# Altium PCB STM32F103_DEV.PcbDoc (continued)
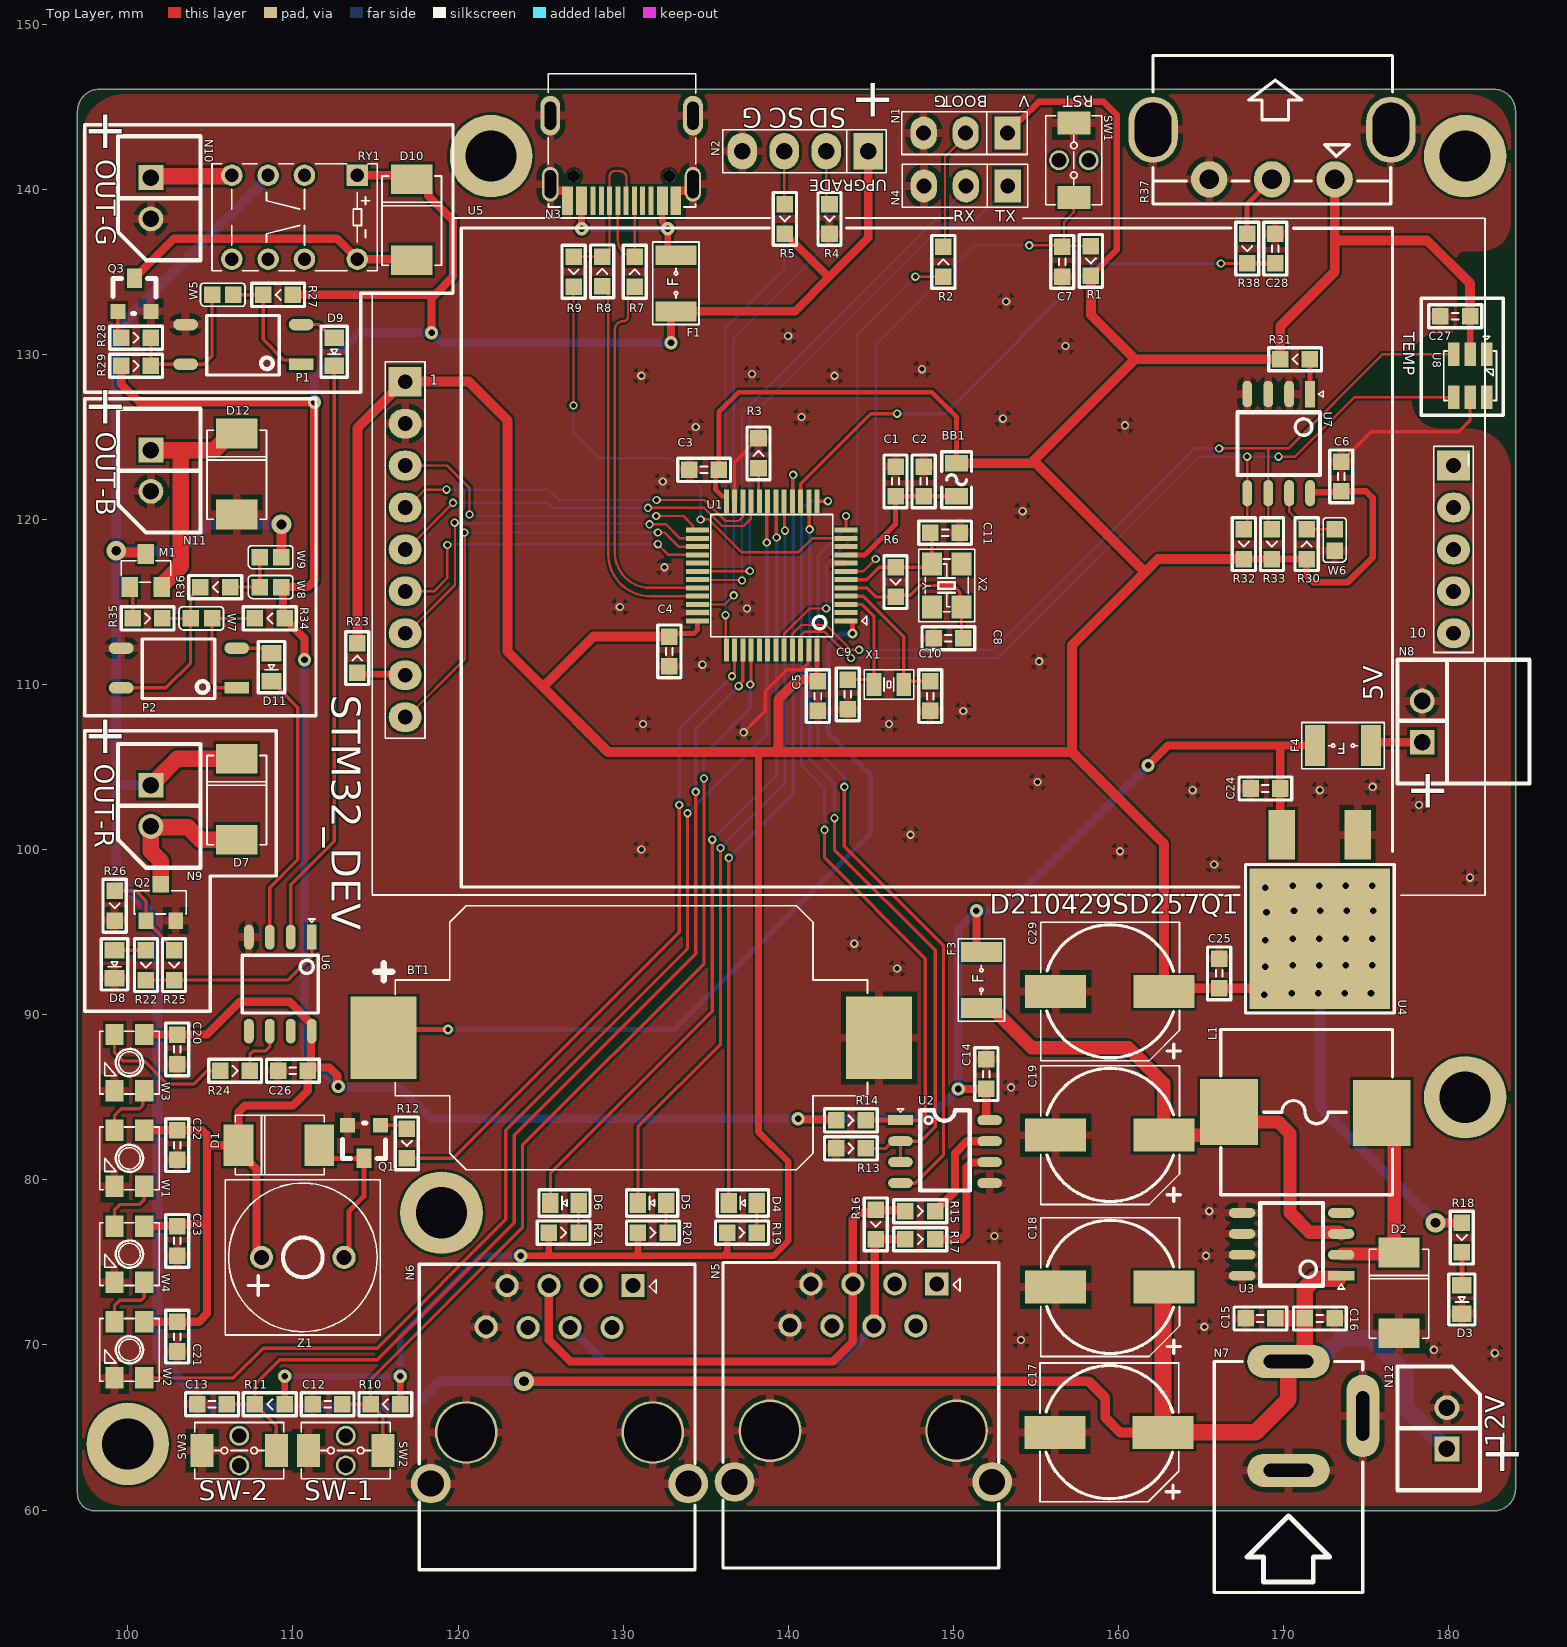
[diagram p0: Top Layer view]
## Footprints (in the part's own frame and the unit in brackets; to place one, negate y for a bottom-side part, rotate by r counter-clockwise, add the part's x,y. Pads: shape width x height; smd on the part's side, far side on the other; paste and mask are expansions set on the pad) (continued)
  rect 0.65x1.7 smd: A1(1.05,1) A4(1.85,1) A9(6.75,1) A12(7.6,1)
  rect 0.3x1.7 smd: A5(3.05,1) A6(4.05,1) A7(4.55,1) A8(5.55,1) B5(6.05,1) B6(5.05,1) B7(3.55,1) B8(2.55,1)
  round 0.75 hole 0.75: ""(1.43,-0.5) ""(7.21,-0.5)
  silkscreen extent -0.18,-6.7 8.77,1.38, body extent -0.17,-6.7 8.77,1.2, height 3.3
"WS2812B _Mini" [mm]
  rect 1.3x1.1 smd: 1(-1.7,0.9) 2(-1.7,-0.9) 3(1.7,-0.9) 4(1.7,0.9)
  silkscreen extent -1.9,-1.8 1.9,1.8, body extent -1.84,-1.74 1.84,1.74, height 2
XTAL3225 [mm]
  rect 1.4x1.2 smd: 1(-1.3,-0.9) 2(1.3,-0.9) 3(1.3,0.9) 4(-1.3,0.9)
  silkscreen extent -2.2,-1.7 2.2,1.7, body extent -1.6,-1.25 1.6,1.25, height 1.01
XTAL_2012 [mm]
  rect 0.9x1.4 smd: 1(-0.9,0) 2(0.9,0)
  silkscreen extent -1.5,-0.9 1.5,0.9, body extent -1.07,-0.64 1.08,0.66, height 0.6

## Part data
BB1: library part IND1, "2012 type Bead", Part Number=ECFB2012GB100T
BT1: "Multicell Battery", LatestRevisionDate=17-Jul-2002, LatestRevisionNote="Re-released for DXP Platform.", PackageDescription="Battery; 2 Leads", PackageReference=BAT-2, Published=24-Mar-1999, Publisher="Altium Limited"
C1 C3 C4 C5 C7 C14: library part CAP, "Capacitor, 1608 type", LCSC=C14663, Part Number=100nF
C2 C6 C12 C13 C16 C20 C21 C22 C23 C24 C25 C26 C27 C28: library part CAP, "Capacitor, 1608 type", LCSC=C15849, Part Number=1uF
C8 C11: library part CAP, "Capacitor, 1608 type", LCSC=C1648, Part Number=20pF
C9 C10: library part CAP, "Capacitor, 1608 type", LCSC=NC, Part Number=NC
C15: library part CAP, "Capacitor, 1608 type", LCSC=C1647, Part Number=18pF
C17 C18 C19 C29: library part "Cap Pol1", "TanTal Capacitor", LCSC=C311610, Part Number="220uF 25V"
D1 D2 D7 D10 D12: LCSC=C8678, Part Number=SS34
D3: library part LED, "LED 1608. SMD", LCSC=C72044, Part Number=RED
D4: "Green, 1608. SMD", LCSC=C34499, Part Number="Chip LED(WHITE)"
D5 D6: library part LED, "LED 1608. SMD", LCSC=C72043, Part Number=GREEN
D8: "Green, 1608. SMD"
D9 D11: library part LED, "1608 Chip LED", LCSC=C118339, Part Number=Blue
F1 F3 F4: library part FUSE_CHIP, "Chip Fuse 3216", LCSC=C182445, Part Number=12H1300C, URL=https://jlcpcb.com/parts/componentSearch?secondSortUuid=e97bd0f3124c47c588b72c76ed31e691&name=Surface%20Mount%20Fuses&firstSortUuid=f346e0c6c2c44c2495c3d3e7077cf5f1
L1: "Chip Inductor", LCSC=C286354, Part Number=SMMS1040-680MT
M1: "P-Channel MOSFET", LCSC=C3034, Part Number=IRLML6402TR, Temp="-55 ~ +150", URL=http://www.devicemart.co.kr/3594
N1 N4: library part CON3, "Pin Header", LCSC=C429954, Part Number="Pin Header 1x3"
N2: library part CON4, "Pin Header", LCSC=C124378, Part Number="PinHeader 1x4"
N3: library part "USB-C 2.0", "USB2.0-C type", LCSC=C165948, Part Number=U262-161N-4BVC11, URL=https://www.eleparts.co.kr/goods/view?no=8137725
N7: library part DC_JACK
N8: library part CON2, "Molex", Part Number=5268-02
N9 N10 N11 N12: library part CON2, "Molex", Part Number=5267-02
P1 P2: "1CH_small coupler", LCSC=C388374, Part Number=TLP181, Temp="-55 ~ +125", Maker=TOSHIBA
Q1 Q3: library part TR(NPN), "Transistor", LCSC=C20526, Part Number=MMBT3904
Q2: library part IRLML2502, "N Chnel FET", Part Number=IRLML2502, URL=http://www.devicemart.co.kr/goods/view?no=5829#goods_file
R1 R2 R3 R4 R5 R9 R10 R11 R12 R13 R14 R18 R19 R20 R21 R28 R29 R31 R32 R33 R35 R36: library part RES1, "Resistor, 1608 type", LCSC=C21190, Part Number=1KΩ
R6: library part RES1, "Resistor, 1608 type", LCSC=C22935, Part Number=1MΩ
R7 R8 R24 R38: library part RES1, "Resistor, 1608 type", LCSC=C1203, Part Number=22Ω
R15 R17: library part RES1, "Resistor, 1608 type", LCSC=C22859, Part Number=10Ω
R16: library part RES1, "Resistor, 1608 type", Part Number=NC120Ω
R22: library part RES1, "Resistor, 1608 type", Part Number=1KΩ
R23: library part RES1, "Resistor, 1608 type", Part Number=10KΩ
R25: library part RES1, "Resistor, 1608 type", Part Number=100Ω
R26: library part RES1, "Resistor, 1608 type", Part Number=N/C
R27 R34: library part RES1, "Resistor, 1608 type", LCSC=C22962, Part Number=220Ω
R30: library part RES1, "Resistor, 1608 type", LCSC=NC, Part Number=1KΩ
R37: library part RES-POT, "RV09H-20SQ 10KΩ"
RY1: library part RELAY, "5V, dual, DIP", Part Number=BC1-5
SW1 SW2 SW3: library part SW-SPST, "Single-Pole, Single-Throw Switch", LCSC=C720477, LatestRevisionDate=17-Jul-2002, LatestRevisionNote="Re-released for DXP Platform.", PackageDescription="Switch; 2 Leads", PackageReference=SPST-2, Published=24-Mar-1999, Publisher="Altium Limited"
U1: library part STM32F103_LQFP64, "ARM-based 32bit MCU"
U2: library part MAX485-SO8, "RS485 Driver", LCSC=C23492, Part Number=MAX485
U3: library part XL1509_FIX, "2A 150KHz 40V Buck DC to DC Converter", LCSC=C61063, Part Number=XL1509-5.0E1, ComponentLink1Description=URL, ComponentLink1URL=https://datasheet.lcsc.com/szlcsc/1809050422_XLSEMI-XL1509-5-0E1_C61063.pdf
U4: library part 7803(SOT-223), "LM1117-3.3 / 3.3V OUT / MAX 1A", LCSC=C126023, Part Number=LM1117RS-3.3
U5: library part LCD_TFT_2.2, "TFT 2.2 LCD 320 X 240", Part Number="2.2 Inch SPI TFT LCD Display Module 240 X 320"
U6: library part WS2811, "PWM Driver", LCSC=C114581, Temp=#NAME?, Part Number=WS2811, URL=https://cdn-shop.adafruit.com/datasheets/WS2811.pdf
U7: LCSC=C6487
U8: library part AHT-20, "Temperature and Humidity sensor", LCSC=NC, ComponentLink1Description=URL, ComponentLink1URL=https://files.seeedstudio.com/wiki/Grove-AHT20_I2C_Industrial_Grade_Temperature_and_Humidity_Sensor/AHT20-datasheet-2020-4-16.pdf, Part Number=AHT-20
W1 W2 W3 W4: library part WS2812B, "DC 5V / 60mA WS2812B", LCSC=C114583, ComponentLink1Description=URL, ComponentLink1URL=https://lcsc.com/product-detail/Light-Emitting-Diodes-LED_5050-RGBIntegrated-Light-4Pin_C114586.html/?href=jlc-SMT, Part Number=WS2812B
W5 W6 W7 W8 W9: "Jumper Wire", Part Number=NC, LatestRevisionDate=17-Jul-2002, LatestRevisionNote="Re-released for DXP Platform.", PackageDescription="Radial Cap, Thru-Hole; 2 Leads; 0.2 in Pin Spacing", PackageReference=RAD-0.2, Published=24-Mar-1999, Publisher="Altium Limited"
X1: library part XTAL_2, "Crystal", LCSC=C32346, Part Number=Q13FC1350000400, Temp="-40 ~ 85", ComponentLink1Description=URL, ComponentLink1URL=https://datasheet.lcsc.com/szlcsc/1811151451_Seiko-SC-20S-32-768kHz-20PPM-7pF_C97602.pdf
X2: library part XTAL_5, "8MHz  3X5 CERAMIC SMD CRYSTAL", LCSC=C157341, Part Number=8MHz
Z1: library part BUZZER, "피에조 부저", LCSC=C252932, Part Number=GMD0942YB-3V2700, URL=https://www.devicemart.co.kr/goods/view?no=1361184

## Free pads (board coordinates)
  round 5 hole 3.1: ""(100,64) ""(119,78) ""(122,142) ""(181,85) ""(181,142)

## Via types
v1: diameter 0.5, hole 0.3, Top Layer to Bottom Layer, tented both sides, 91 vias
v2: diameter 0.4, hole 0.4, Top Layer to Bottom Layer, 25 vias
v3: diameter 0.8, hole 0.4, Top Layer to Bottom Layer, tented both sides, 14 vias
v4: diameter 1.2, hole 0.6, Top Layer to Bottom Layer, tented both sides, 4 vias
v5: diameter 0.6, hole 0.3, Top Layer to Bottom Layer, tented both sides, 2 vias

## Nets (pads, with @x,y where several pads share a name; then routed paths per layer and width w, separated by ;. In a path a pad name is that pad's centre, name@x,y a point inside that pad or via, vN(x,y) a via of type N, cw(c..) or ccw(c..) an arc to the next point about the centre after c; other vN are vias at no path point)
+3V3: BB1.1 C3.1 C4.1 C5.1 C6.2 C25.2 C27.2 C29.1 N1.1 R1.1 R10.2 R11.2 R18.2 R19.2 R20.2 R21.2 R23.1 R30.2 R31.1 R32.1 R33.1 R37.1 U1.24 U1.36 U1.48 U4.2 U5.1 U7.8 U8.2 | length 359.4
  Top Layer w0.3: C4.1 133,113.1 134.3,113.1 134.5,113.3 U1.36 ; U1.24 136.25,121.4 136,121.4 135.6,121.8 135.6,122.8 C3.1 135.8,126.5 137,127.7 148.7,127.7 150.2,126.2 BB1.1 ; U1.48 141.75,110.35 C5.1@141.8,110.3
  Top Layer w0.4: R11.2 v3(109.5,68.1) ; R10.2 v3(116.5,68.1) ; v3(123.8,75.4) 125.5,75.4 ; R21.2 125.5,75.4 ; R20.2 130.9,75.4 ; R19.2 136.3,75.634 136.066,75.4 ; 138.2,105.9 138.2,82.9 140,81.1 140,76.3 139.1,75.4 136.066,75.4 ; N1.1 153.28,143.6 153.88,144.2 154.08,144.2 155.18,145.3 159.1,145.3 159.9,144.5 159.9,136.327 R1.1 ; R32.1 R33.1 R30.2 171.4,116.6 171.8,116.2 173.9,116.2 175.4,117.7 175.4,121.3 175,121.7 C6.2 173.445,121.645 171.667,121.645 U7.8 ; U8.2 C27.2 ; 125.5,75.4 130.9,75.4 ; 130.9,75.4 136.066,75.4
  Top Layer w0.6: R23.1 113.9,125.54 116.7,128.34 U5.1 120.66,128.34 123,126 123,112 125.15,109.85 ; C4.1 128.2,112.9 125.15,109.85 ; C5.1@141.8,110.3 140.6,110.3 139.4,109.1 139.4,105.9 ; BB1.1 154.7,123.4 ; R1.1 158.331,132.369 161,129.7 ; R32.1 162.4,117.6 161.6,116.8 ; U4.2@172.184,94.584 169.2,91.6 C25.2 162.95,91.6 C29.1 162.75,100.35 157.2,105.9 ; R37.1 173.1,136.9 ; v4(179.2,77.4) R18.2 ; C27.2 181.3,134.3 178.7,136.9 173.1,136.9 ; 125.15,109.85 129.1,105.9 138.2,105.9 139.4,105.9 ; 139.4,105.9 157.2,105.9 ; 154.7,123.4 155,123.4 161.6,116.8 ; 154.7,123.4 161,129.7 ; 157.2,105.9 157.2,112.4 161.6,116.8 ; 161,129.7 R31.1 169.8,131.7 173.1,135 173.1,136.9
  Bottom Layer w0.4: v3(109.5,68.1) v3(116.5,68.1) 116.5,70.5 121.4,75.4 v3(123.8,75.4)
  Bottom Layer w0.6: U4.2@172.2,94.6 172.2,84.4 v4(179.2,77.4)
  other v2: 168.833,91.198 170.5,91.3 172.1,91.3 173.7,91.3 175.3,91.3 168.9,92.9 170.567,93.002 172.167,93.002 173.767,93.002 175.367,93.002 168.9,94.5 170.567,94.602 172.167,94.602 173.767,94.602 175.367,94.602 168.967,96.202 170.634,96.304 172.234,96.304 173.834,96.304 175.434,96.304 168.9,97.7 170.567,97.802 172.167,97.802 173.767,97.802 175.367,97.802
+5V: C14.1 C20.2 C21.2 C22.2 C23.2 C24.2 C26.1 D1.2 D10.2 F1.1 F3.2 F4.2 N2.1 R5.1 R14.2 R27.2 R29.2 R34.2 RY1.1 U2.8 U4.3 U6.8 W1.1 W2.1 W3.1 W4.1 W8.1 Z1.1 | length 275.9
  Top Layer w0.5: R29.2 99.6,128.2 100.7,127.1 v3(111.3,127.1) 111.3,116.3 110.9,115.9 W8.1 109.4,115.8 109.4,114.1 R34.2 110.7,112.8 v3(110.7,111.5) ; W2.1 C21.2 104.3,71.4 104.8,71.9 104.8,77.3 ; W4.1 C23.2 103.1,77.3 104.8,77.3 ; W1.1 C22.2 104.507,83 104.8,82.707 104.8,82.1 ; W3.1 C20.2 104.8,88.8 106.79,90.79 109.8,90.79 111.14,89.45 U6.8 111.14,88.523 111.1,88.483 C26.1@111.1,86.8 ; Z1.1@107.8,75.3 107.8,80.65 106.7,81.75 D1.2 ; R27.2 118.6,133.6 ; v3(112.75,85.65) 112.693,85.707 112.693,86.315 112.207,86.8 C26.1@111.1,86.8 ; RY1.1 116.96,140.84 D10.2 117.55,140.6 118.2,139.95 118.2,139.6 119.7,138.1 119.7,134.7 118.6,133.6 ; v3(118.4,131.3) 118.4,133.4 118.6,133.6 ; v3(132.9,130.7) 132.9,132.3 F1.1 140.4,132.6 142.5,134.7 ; R5.1 142.4,134.7 142.5,134.7 ; v3(140.6,83.7) 140.65,83.65 142.85,83.65 R14.2 ; N2.1 144.84,137.04 142.5,134.7 ; v3(150.3,85.5) C14.1 152,83.656 152.046,83.61 U2.8 ; v3(151.4,96.3) 151.4,94.1 F3.2 ; v3(161.8,105.1) 163,106.3 169.6,106.3 ; U4.3 169.8,101 C24.2 169.8,106.1 169.6,106.3 ; F4.2 169.6,106.3 ; 104.8,77.3 104.8,82.1 ; 104.8,82.1 D1.2 ; D1.2 106.7,84.1 107.1,84.5 110,84.5 110.9,85.4 C26.1 C26.1@111.1,86.8
  Bottom Layer w0.5: v3(110.7,111.5) 110.7,87.7 v3(112.75,85.65) 112.8,85.6 116.5,85.6 118.4,83.7 v3(140.6,83.7) 148.5,83.7 v3(150.3,85.5) 150.3,95.2 v3(151.4,96.3) 153,96.3 v3(161.8,105.1) ; v3(111.3,127.1) 111.3,128.6 114,131.3 v3(118.4,131.3) 119,130.7 v3(132.9,130.7)
+12V: C15.2 C16.2 C17.1 C18.1 D7.2 M1.3 N7.1 N9.1 N12.1 RY1.3 U3.1 W9.1 | length 206.7
  Top Layer w0.6: v4(99.3,118.1) 99.4,118 101,118 M1.3 ; W9.1 v4(109.3,119.7) ; v4(124,67.8) 158.2,67.8 159.2,66.8 159.2,65.6 160.1,64.7 C17.1
  Top Layer w1: N9.1 103,105.5 D7.2 ; C18.1 162.7,73.45 C17.1 168.3,64.7 170.3,66.7 N7.1 170.838,69 171.3,69.462 C16.2 ; C15.2 C16.2 ; U3.1@173.303,74 171.886,74 171.3,73.414 C16.2
  Bottom Layer w0.6: N9.1 99.3,103.9 ; RY1.3 108.5,140.7 99.3,131.5 v4(99.3,118.1) ; v4(109.3,119.7) 104.8,119.7 103.2,118.1 v4(99.3,118.1) ; v4(124,67.8) 118.9,67.8 117.3,66.2 104.9,66.2 101.8,69.3 101.8,95.8 99.3,98.3 99.3,103.9 ; 99.3,103.9 v4(99.3,118.1)
  Bottom Layer w1: N7.1 172.071,69 173.471,70.4 175.3,70.4 177.4,68.3 177.4,66.2 N12.1
DN: N3.A7 N3.B7 R7.1 | length 7.4
  Top Layer w0.14: N3.A7 129.68,136.92 ccw(c130.7,136.92) R7.1 130.7,139.28 ccw(c130.68,139.28) N3.B7
DP: N3.A6 N3.B6 R8.1 R9.2 | length 9.5
  Top Layer w0.14: R9.2@127.2,135.9 127.22,135.92 128.929,135.92 129.18,136.171 N3.B6 129.18,140.78 cw(c129.5,140.78) 129.5,141.1 129.8,141.1 cw(c129.8,140.7) 130.2,140.7 130.2,139.32 cw(c130.18,139.32) N3.A6
GND: BT1.2 C1.2 C2.1 C3.2 C4.2 C5.2 C6.1 C7.2 C8.2 C9.1 C10.1 C11.2 C12.2 C13.2 C14.2 C15.1 C16.1 C17.2 C18.2 C19.2 C20.1 C21.1 C22.1 C23.1 C24.1 C25.1 C26.2 C27.1 C28.2 C29.2 D2.1 D3.2 D8.2 D12.1 N1.3 N2.4 N3.A1 N3.A12 N4.3 N5.7 N5.8 N5.9 N6.7 N6.8 N6.9 N7.2 N7.3 N8.2 N10.2 N11.2 N12.2 P1.3 P2.3 Q1.3 Q2.2 Q3.3 R3.1 R4.1 R13.2 R26.1 R37.3 SW1.1 SW2.2 SW3.2 U1.8 U1.23 U1.35 U1.47 U2.5 U3.5 U3.6 U3.7 U3.8 U4.1 U5.2 U6.4 U7.2 U7.3 U7.4 U8.5 W1.3 W2.3 W3.3 W4.3 W6.2 | length 25.5
  Top Layer w0.2: U1.23 136.75,123.45 R3.1 ; v1(137.3,107.1) 138.6,108.4 138.6,109.6 139.9,110.9 140.8,110.9 141.2,111.3 141.2,112.05 U1.47 ; C6.1 175.3,125.3 180.6,125.3 181.3,126 U8.5
  Top Layer w0.5: N3.A1@125.59,140.3 125.59,140.131 125.821,139.9 126.555,139.9 126.63,139.825 N3.A12 ; N3.A1@133.18,139.3 133.18,139.825 133.255,139.9 133.999,139.9 134.23,140.131 N3.A1@134.23,140.3
  other v1: 182.8,69.5 179.1,69.7 154.1,70.3 165.2,71.1 165.3,75.4 152.5,76.6 165.5,78.1 153.5,85.6 146.6,92.8 144,94.3 181.3,98.3 165.8,99.1 160.1,99.9 131.1,100 147.4,100.9 178.2,102.7 164.5,103.6 172.2,103.6 175.4,103.8 155.1,104.1 131.2,107.6 146.1,107.6 150.6,108.4 134.8,111.2 155.2,111.4 137.5,114.6 129.8,114.7 132.5,117.1 154.2,120.5 132.4,122.3 134.4,125.6 160.4,125.7 153,126.1 140.8,126.2 131.1,128.7 142.8,128.7 137.8,128.8 148.1,129.1 156.8,130.5 140,131.1 153.2,133.2
IO18_VCLK: U5.11
IO19_VMISO: U5.12
IO23_SVMO: U5.13
IO25_A28_DAC1: U5.10
IO27_A27_T7: U5.14
NetBB1_2: BB1.2 C1.1 C2.2 U1.9 | length 9.2
  Top Layer w0.3: U1.9 144.65,117.85 146.5,119.7 C1.1 C2.2 BB1.2
NetBT1_1: BT1.1 U1.1 | length 50
  Top Layer w0.3: BT1.1 116,89.1 v5(119.4,89.1) ; U1.1 143.9,113.85 v5(143.9,113.1)
  Bottom Layer w0.3: v5(119.4,89.1) 133.1,89.1 143.1,99.1 145,101 145,104.5 142.4,107.1 142.4,112.3 143.15,113.05 143.85,113.05 v5(143.9,113.1)
NetC7_1: C7.1 R1.2 SW1.2 U1.7 | length 33.9
  Top Layer w0.14: U1.7 144.55,116.85 v1(145.3,117.6) ; v1(154.6,136.6) 156.5,136.6 C7.1 C7.1@156.658,136.558 ; SW1.2 157.3,138.6 156.7,138 156.7,136.6 C7.1@156.658,136.558 ; R1.2 C7.1@156.658,136.558
  Bottom Layer w0.14: v1(145.3,117.6) 145.3,130.6 151.3,136.6 v1(154.6,136.6)
NetC8_1: C8.1 R6.1 U1.5 X2.1 | length 10.5
  Top Layer w0.2: U1.5 144.75,115.85 145.3,115.3 R6.1 146.6,115.4 147.4,115.4 148,116 150,116 150.4,115.6 150.4,114.8 X2.1 150.5,112.9 C8.1
NetC11_1: C11.1 R6.2 U1.6 X2.3 | length 7.5
  Top Layer w0.2: U1.6 144.75,116.35 145.5,117.1 R6.2 148.5,117.1 X2.3 148.7,119.1 C11.1
NetC12_1: C12.1 R10.1 SW2.1 U1.40 | length 60.1
  Top Layer w0.2: C12.1 R10.1 ; SW2.1 115.45,65.65 R10.1 ; v1(134.9,104.3) 134.9,93.1 123.9,82.1 123.9,77.1 114.7,67.9 R10.1 ; v1(137.7,110) 137.75,110.05 U1.40
  Bottom Layer w0.2: v1(134.9,104.3) 134.9,105.75 137.7,108.55 v1(137.7,110)
NetC13_1: C13.1 R11.1 SW3.1 U1.39 | length 66.4
  Top Layer w0.2: C13.1 R11.1 ; SW3.1 109,65.1 R11.1 ; v1(134.4,103.5) 134.4,93.7 133.8,93.1 123.4,82.7 123.4,77.4 115.1,69.1 109.2,69.1 107.7,67.6 R11.1 ; v1(137,109.9) 137,109.981 137.25,110.231 U1.39
  Bottom Layer w0.2: v1(134.4,103.5) 134.4,107.3 v1(137,109.9)
NetC19_1: C19.1 F3.1 L1.2 U3.3 | length 33.3
  Top Layer w0.8: F3.1 152.35,90.4 154.75,88 160.6,88 162.75,85.85 C19.1 165.35,82.7 166.7,84.05 L1.2 167.3,83.5 169.7,83.5 170.4,82.8 170.4,78 171.573,76.827 173.39,76.827 U3.3
NetC28_1: C28.1 R38.1 U1.15 | length 35.3
  Top Layer w0.2: U1.15 140.75,122.15 145,126.4 v1(146.6,126.4) ; v1(166.2,135.5) R38.1
  Top Layer w0.3: R38.1 C28.1
  Bottom Layer w0.2: v1(146.6,126.4) 149.5,126.4 158.6,135.5 v1(166.2,135.5)
NetD1_1: D1.1 Q1.2 Z1.2 | length 9.4
  Top Layer w0.3: D1.1 111.6,82.05 112.35,81.3 Q1.2 114.3,79 113.4,78.1 Z1.2@113.4,75.3
NetD2_2: D2.2 L1.1 U3.2 | length 12.4
  Top Layer w0.8: U3.2@173.533,75.5 176.9,75.5 D2.2 176.7,75.9 176.7,83.3 L1.1
NetD3_1: D3.1 R18.1 | length 2
  Top Layer w0.3: D3.1 R18.1
NetD4_1: D4.1 R19.1 | length 1.8
  Top Layer w0.2: R19.1 D4.1
NetD4_2: D4.2 U1.16 | length 47.3
  Top Layer w0.2: D4.2 v1(136.4,99.5) ; U1.16 140.275,121.125 140.275,122.675 v1(140.3,122.7)
  Bottom Layer w0.2: v1(136.4,99.5) 140.3,103.4 v1(140.3,122.7)
NetD5_1: D5.1 R20.1 | length 1.8
  Top Layer w0.2: D5.1 132.6,76.9 R20.1
NetD5_2: D5.2 U1.17 | length 46.2
  Top Layer w0.2: D5.2 130.9,83.2 135.9,88.2 v1(135.9,100.1) ; U1.17 139.779,121.071 139.779,119.337 v1(139.8,119.315)
  Bottom Layer w0.2: v1(135.9,100.1) 139.808,104.008 139.808,119.308 v1(139.8,119.315)
NetD6_1: D6.1 R21.1 | length 1.8
  Top Layer w0.2: R21.1 D6.1
NetD6_2: D6.2 U1.18 | length 48.2
  Top Layer w0.2: D6.2 125.6,80.4 135.4,90.2 v1(135.4,100.6) ; U1.18 139.275,121.075 139.275,118.925 v1(139.3,118.9)
  Bottom Layer w0.2: v1(135.4,100.6) 139.3,104.5 v1(139.3,118.9)
NetD7_1: D7.1 N9.2 Q2.3 | length 9.3
  Top Layer w1: Q2.3 102,99.3 101.4,99.9 N9.2 101.45,101.35 103.65,101.35 104.4,100.6 D7.1
NetD8_1: D8.1 R22.2 | length 1.9
  Top Layer w0.2: D8.1 R22.2
NetD9_1: D9.1 P1.2 | length 2.3
  Top Layer w0.2: P1.2 111.6,131.8 112.4,131 D9.1
NetD9_2: D9.2 U6.2 | length 35.7
  Top Layer w0.2: U6.2 109.87,97.87 112.5,100.5 D9.2
NetD10_1: D10.1 Q3.2 RY1.8 | length 18.4
  Top Layer w0.5: Q3.2 100.4,134.75 100.6,134.95 100.75,134.95 102.8,137 112.66,137 RY1.8 117.14,135.76 D10.1
NetD11_1: D11.1 P2.2 | length 2.2
  Top Layer w0.2: P2.2 108.4,112.2 D11.1
NetD11_2: D11.2 U6.3 | length 16.9
  Top Layer w0.2: U6.3 108.6,97.7 110.3,99.4 110.3,108.6 109.2,109.7 109.2,109.8 108.8,110.2 D11.2
NetD12_2: D12.2 M1.2 N11.1 | length 14.4
  Top Layer w1: N11.1 103.325,124.2 ; M1.2 102.05,116 103.2,117.15 103.2,124.075 103.325,124.2 ; D12.2 106.25,125.2 105.25,124.2 103.325,124.2
NetF1_2: F1.2 N3.A4 N3.A9 | length 10.6
  Top Layer w0.4: N3.A9 127.48,137.62 v3(127.5,137.6) ; N3.A4 132.38,138.019 132.7,137.699 v3(132.7,137.6) 132.7,136.4 133.1,136 F1.2
  Bottom Layer w0.4: v3(127.5,137.6) v3(132.7,137.6)
NetF4_1: F4.1 N8.1 | length 3.2
  Top Layer w0.5: F4.1 175.5,106.5 N8.1
NetM1_1: M1.1 R35.2 | length 2
  Top Layer w0.2: M1.1 100.3,115.72 R35.2
NetN1_2: N1.2 R2.1 | length 6.9
  Top Layer w0.14: 149.5,137 149.5,141.96 150.74,143.2 N1.2
NetN5_4: N5.4 N6.4 R16.1 R17.2 | length 27.2
  Top Layer w0.5: N5.4 145.242,71.207 145.242,76.343 R16.1 R17.2
  Bottom Layer w0.5: N6.4 128.835,69 143.035,69 N5.4
NetN5_5: N5.5 N6.5 R15.2 R16.2 | length 33.6
  Top Layer w0.5: N6.5 125.5,73.575 125.5,70.3 126.8,69 142.7,69 143.915,70.215 N5.5 143.915,77.615 144.3,78 145.1,78 R16.2 145.35,78.15 147.05,78.15 R15.2
NetN10_1: N10.1 RY1.4 | length 5
  Top Layer w1: N10.1 101.483,140.783 106.243,140.783 RY1.4
NetP1_1: P1.1 R27.1 W5.1 | length 7.4
  Top Layer w0.2: W5.1 R27.1 108.2,130.9 109.45,129.65 110.25,129.65 P1.1
NetP1_4: P1.4 R28.1 R29.1 W5.2 | length 9.3
  Top Layer w0.2: R28.1 R29.1 101.5,129.4 P1.4 104.6,129.4 105.1,129.9 W5.2
NetP2_1: P2.1 R34.1 W7.1 | length 8.1
  Top Layer w0.2: P2.1 105.4,109.8 105.1,110.1 W7.1 R34.1
NetP2_4: P2.4 R35.1 R36.1 W7.2 | length 11.4
  Top Layer w0.2: P2.4 102.3,109.8 103.8,111.3 W7.2 ; R35.1 W7.2 ; R36.1 103.8,115.3 W7.2
NetQ1_1: Q1.1 R12.2 | length 1.7
  Top Layer w0.2: Q1.1 116.7,83.3 R12.2
NetQ2_1: Q2.1 R25.2 R26.2 | length 5.9
  Top Layer w0.2: R26.2 100.5,97.5 101.1,96.9 Q2.1 101.1,95.65 101.45,95.3 101.5,95.3 102.4,94.4 102.4,94.3 R25.2
NetQ3_1: Q3.1 R28.2 | length 1.7
  Top Layer w0.2: Q3.1 99.4,131.2 R28.2
NetR2_2: R2.2 U1.44 | length 28.2
  Top Layer w0.14: U1.44 139.75,113.05 141.3,114.6 v1(142.3,114.6) ; v1(147.7,134.7) R2.2
  Bottom Layer w0.14: v1(142.3,114.6) 142.3,117.3 144.2,119.2 144.2,131.2 v1(147.7,134.7)
NetR3_2: R3.2 U1.20 | length 2
  Top Layer w0.2: R3.2 138.2,121.7 138.25,121.65 U1.20
NetR12_1: R12.1 U1.38 | length 40.7
  Top Layer w0.2: R12.1 119.7,81.3 133.4,95 v1(133.4,102.7) ; v1(136.6,110.5) 136.6,110.581 136.75,110.731 U1.38
  Bottom Layer w0.2: v1(133.4,102.7) 133.4,107.3 v1(136.6,110.5)
NetR13_1: R13.1 U1.14 U2.2 U2.3 | length 47.1
  Top Layer w0.2: U1.14 141.275,121.075 141.275,119.425 v1(141.3,119.4) ; v1(142.8,101.9) 142.8,100 148.9,93.9 148.9,83.2 148.04,82.34 U2.2 ; R13.1 145.91,81.9 146.35,82.34 U2.2 ; U2.3 U2.2
  Bottom Layer w0.2: v1(141.3,119.4) 141.3,105.5 142.8,104 v1(142.8,101.9)
NetR14_1: R14.1 U1.13 U2.1 | length 45.9
  Top Layer w0.2: U1.13 v1(142.4,121.1) ; v1(142.2,101.2) 142.2,99.5 148.3,93.4 148.3,84 147.91,83.61 U2.1
  Top Layer w0.3: R14.1 144.71,83.61 U2.1
  Bottom Layer w0.2: v1(142.2,101.2) 142.2,103.7 140.8,105.1 140.8,120.6 141.3,121.1 v1(142.4,121.1)
NetR15_1: R15.1 U2.7 | length 6.4
  Top Layer w0.5: R15.1 150.1,79.3 150.1,81.6 150.84,82.34 U2.7
NetR17_1: R17.1 U2.6 | length 7.6
  Top Layer w0.5: R17.1 150.507,76.4 150.8,76.693 150.8,80.758 151.093,81.051 152.181,81.051 U2.6
NetR22_1: R22.1 R25.1 U6.1 | length 11.8
  Top Layer w0.2: R22.1 R25.1 109.7,92.1 111.14,93.54 U6.1
NetR23_2: R23.2 U5.8 | length 3
  Top Layer w0.4: R23.2 113.97,110.63 116.73,110.63 U5.8
NetR24_1: R24.1 U6.6 | length 3.3
  Top Layer w0.2: R24.1 107.4,87.6 107.6,87.8 108.328,87.8 108.6,88.072 U6.6
NetR24_2: R24.2 W3.2 | length 8.6
  Top Layer w0.2: W3.2 99.2,87.7 99.7,87.2 101,87.2 102.4,85.8 104,85.8 104.8,86.6 R24.2
NetR30_1: R30.1 U7.7 W6.1 | length 4.3
  Top Layer w0.14: U7.7 170.343,120.457 R30.1 W6.1
NetR31_2: R31.2 U7.1 | length 2.1
  Top Layer w0.3: R31.2 171.613,129.687 U7.1
NetR32_2: R32.2 U1.46 U7.5 U8.4 | length 52.2
  Top Layer w0.14: U1.46 140.75,112.95 141,113.2 142.2,113.2 v1(143.8,111.6) ; R32.2 167.803,119.603 U7.5 167.801,121.592 v1(167.8,123.8) v1(167.8,123.8) ; v1(169.7,123.8) 170.7,123.8 174.3,127.4 U8.4
  Bottom Layer w0.14: v1(143.8,111.6) 152.7,111.6 164.9,123.8 v1(167.8,123.8) v1(169.7,123.8)
NetR33_2: R33.2 U1.45 U7.6 U8.3 | length 54.3
  Top Layer w0.14: U1.45 140.25,113.05 140.8,113.6 142.3,113.6 143.8,112.1 v1(144.3,112.1) ; v1(166.1,124.3) 169.1,124.3 ; R33.2 169.073,119.627 U7.6 169.073,124.273 169.1,124.3 ; U8.3 176,130 170.3,124.3 169.1,124.3
  Bottom Layer w0.14: v1(144.3,112.1) 152.4,112.1 164.6,124.3 v1(166.1,124.3)
NetR36_2: R36.2 W8.2 W9.2 | length 3.6
  Top Layer w0.2: R36.2 W8.2 W9.2
NetR37_2: R37.2 R38.2 | length 3.9
  Top Layer w0.3: R38.2 167.8,139.1 R37.2
NetU1_12: U1.12 U2.4 | length 46.7
  Top Layer w0.2: v1(143.4,103.8) 143.4,100.2 149.4,94.2 149.4,81.5 147.7,79.8 U2.4 ; U1.12 v1(143.5,120.2)
  Bottom Layer w0.2: v1(143.4,103.8) 143.4,104.4 141.8,106 141.8,117.8 143.5,119.5 v1(143.5,120.2)
NetU1_19: U1.19 W2.4 | length 75.9
  Top Layer w0.2: W2.4 106.4,68 108.2,69.8 115.1,69.8 122.9,77.6 122.9,83 133.9,94 v1(133.9,102.2) ; v1(138.7,118.6) 138.7,121.05 U1.19
  Bottom Layer w0.2: v1(133.9,102.2) 138.7,107 v1(138.7,118.6)
NetU1_21: U1.21 U5.5 | length 23.9
  Top Layer w0.14: U5.5 116.89,118.18 119.7,120.99 v1(119.7,121) ; v1(131.5,120.7) 134.9,120.7 136,119.6 137.3,119.6 137.75,120.05 U1.21
  Bottom Layer w0.14: v1(119.7,121) 125.401,121 125.701,120.7 v1(131.5,120.7)
NetU1_22: U1.22 U5.4 | length 22.7
  Top Layer w0.14: U5.4 116.9,120.72 117.98,121.8 v1(119.3,121.8) ; v1(132.035,121.17) 134.93,121.17 136.2,119.9 137,119.9 137.25,120.15 U1.22
  Bottom Layer w0.14: v1(119.3,121.8) 125.5,121.8 126.13,121.17 v1(132.035,121.17)
NetU1_25: U1.25 U5.3 | length 20.4
  Top Layer w0.14: U5.3 119.34,123.26 120.7,121.9 v1(120.7,120.3) ; v1(132.006,120.208) 132.014,120.2 133.65,120.2 134.222,119.628 134.222,119.43 134.302,119.35 U1.25
  Bottom Layer w0.14: v1(120.7,120.3) 120.769,120.231 120.938,120.231 120.962,120.208 v1(132.006,120.208)
NetU1_26: U1.26 U5.7 | length 23.1
  Top Layer w0.14: U5.7 116.9,113.1 119.82,116.02 119.82,119.78 v1(119.8,119.8) ; v1(131.6,119.7) 132.6,119.7 133.45,118.85 U1.26
  Bottom Layer w0.14: v1(119.8,119.8) 119.85,119.75 131.55,119.75 v1(131.6,119.7)
NetU1_27: U1.27 U5.9 | length 27.2
  Top Layer w0.14: U5.9 116.9,108.02 120.4,111.52 v1(120.4,119.2) ; v1(132.1,119.2) 132.5,119.2 133.35,118.35 U1.27
  Bottom Layer w0.14: v1(120.4,119.2) v1(132.1,119.2)
NetU1_28: U1.28 U5.6 | length 20.4
  Top Layer w0.14: U5.6 118.54,115.64 119.35,116.45 v1(119.35,118.45) ; v1(132.1,118.5) 132.75,117.85 U1.28
  Bottom Layer w0.14: v1@119.3,118.4 v1(119.35,118.45) 119.4,118.5 v1(132.1,118.5)
NetU1_41: U1.41
NetW1_2: W1.2 W3.4 | length 3.8
  Top Layer w0.2: W1.2 99.2,83.9 99.6,84.3 100.7,84.3 100.9,84.5 100.9,85.3 W3.4
NetW1_4: W1.4 W4.2 | length 3.8
  Top Layer w0.2: W4.2 99.2,78.2 99.5,78.5 100.7,78.5 101,78.8 W1.4
NetW2_2: W2.2 W4.4 | length 3.9
  Top Layer w0.2: W2.2 99.2,72.4 99.5,72.7 100.8,72.7 101,72.9 W4.4
OSC2_IN: C9.2 U1.3 X1.1 | length 7.8
  Top Layer w0.2: U1.3 144.45,114.85 145.2,114.1 X1.1 144.9,110.3 C9.2
OSC2_OUT: C10.2 U1.4 X1.2 | length 9.1
  Top Layer w0.2: U1.4 144.55,115.35 147,112.9 X1.2 147.2,110.2 C10.2
PA1_USB_CHECK: R9.1 U1.11 | length 29.8
  Top Layer w0.14: v1(127,126.9) R9.1 ; v1(134.7,120) 135.19,120 137.19,118 140.6,118 141.45,118.85 U1.11
  Bottom Layer w0.14: v1(127,126.9) 127,125.3 128.6,123.7 132.9,123.7 134.7,121.9 v1(134.7,120)
PA8_USART1_TX: N4.1 U1.30 | length 34.1
  Top Layer w0.14: U1.30 137.65,116.85 v1(137.675,116.875) v1@137.7,116.9
  Bottom Layer w0.14: v1(137.675,116.875) 137.675,126.175 149.4,137.9 151.1,137.9 152.47,139.27 152.57,139.27 153.3,140 N4.1
PA9_USART1_RX: N4.2 U1.31 | length 32.1
  Top Layer w0.14: U1.31 134.525,116.325 137.175,116.325 v1(137.2,116.3)
  Bottom Layer w0.14: v1@137.2,116.4 137.2,126.44 150.76,140 N4.2
PA11_USB_DM: R7.2 U1.32 | length 22.9
  Top Layer w0.14: R7.2 130.3,133.7 130.3,132.3 cw(c130,132.3) 130,132 ccw(c130,131.5) 129.5,131.5 129.5,118 ccw(c131.65,118) 131.65,115.85 U1.32
PA12_USB_DP: R8.2 U1.33 | length 23.2
  Top Layer w0.14: R8.2 129.1,133.749 129.1,117.89 ccw(c131.64,117.89) 131.64,115.35 U1.33
PA13_SWDIO: N2.2 R4.2 U1.34 | length 35
  Top Layer w0.14: U1.34@134.525,114.825 U1.34 136.15,114.85 v1(136.7,115.4) ; N2.2 142.3,139.3 R4.2
  Bottom Layer w0.14: v1(136.7,115.4) 136.7,131 142.3,136.6 N2.2
PA14_SWCLK: N2.3 R5.2 U1.37 | length 34.9
  Top Layer w0.14: v1(136.2,114.2) 136.225,114.175 136.225,112.125 U1.37 ; N2.3 139.76,139.14 R5.2
  Bottom Layer w0.14: v1(136.2,114.2) 136.2,131.6 139.76,135.16 N2.3
pads on no net: N3. N3.A5 N3.A8 N3.B5 N3.B8 N5.1 N5.2 N5.3 N5.6 N6.1 N6.2 N6.3 N6.6 RY1.2 RY1.5 RY1.6 RY1.7 SW1. SW2. SW3. U1.2 U1.10 U1.29 U1.42 U1.43 U3.4 U6.5 U6.7 U8.1 U8.6 X2.2 X2.4

## Polygon pours and split planes (outlines as drawn)
GND on Top Layer "GND" (solid, remove dead copper, pour order 0): 181.25,60.25 ccw(c181.25,62.75) 183.75,62.75 183.75,122.96 ccw(c181.21,122.96) 181.21,125.5 179.5,125.5 cw(c179.5,127.25) 177.75,127.25 177.75,129.75 cw(c179.25,129.75) 179.25,131.25 180,131.25 ccw(c180,131.75) 180.5,131.75 180.5,135.75 cw(c181,135.75) 181,136.25 182,136.25 ccw(c182,138) 183.75,138 183.75,143.21 ccw(c181.21,143.21) 181.21,145.75 99.79,145.75 ccw(c99.79,143.21) 97.25,143.21 97.25,62.79 ccw(c99.79,62.79) 99.79,60.25
GND on Bottom Layer "GND" (solid, remove dead copper, pour order 1): 181.25,60.25 ccw(c181.25,62.75) 183.75,62.75 183.75,122.96 ccw(c181.21,122.96) 181.21,125.5 179.5,125.5 cw(c179.5,127.25) 177.75,127.25 177.75,129.75 cw(c179.25,129.75) 179.25,131.25 180,131.25 ccw(c180,131.75) 180.5,131.75 180.5,135.75 cw(c181,135.75) 181,136.25 182,136.25 ccw(c182,138) 183.75,138 183.75,143.21 ccw(c181.21,143.21) 181.21,145.75 99.79,145.75 ccw(c99.79,143.21) 97.25,143.21 97.25,62.79 ccw(c99.79,62.79) 99.79,60.25

## Silkscreen, mask and mechanical layers (free items; w line width, h text height)
Top Overlay:
  lines w0.1: 114.8,99.15 114.8,97.25 167.35,97.25 ; 119.8,138.25 138.9,138.25 ; 143.5,138.25 150,138.25 ; 154.2,138.24 182.2,138.24 ; 177.1,97.24 182.2,97.24
  lines w0.2: 97.4,107.1 97.4,90.2 101,90.2 105,90.2 105,98.4 109,98.4 109,107.1 ; 97.4,107.2 109,107.2 ; 119.2,143.9 119.7,143.9 ; 120.2,97.74 167.3,97.74 ; 120.2,136.74 120.2,137.65 138.85,137.65 ; 143.55,137.65 166.8,137.65 ; 170.6,137.64 176.6,137.64 ; 119.7,143.9 104.85,143.9 97.4,143.9 97.4,127.7 105.1,127.7 114.1,127.7 114.1,133.7 119.7,133.7 119.7,143.9 ; 97.4,108.1 101,108.1 111.4,108.1 111.4,127.3 97.4,127.3 97.4,108.1 ; 178.35,126.3 180.2,126.3 183.3,126.3 183.3,133.4 178.35,133.4 178.35,126.3
  text "G" at 149.56,145.9 h1.2 r180
  text "BOOT" at 152.1,145.9 h1.2 r180
  text "V" at 154.64,145.9 h1.2 r180
  text "RST" at 158.5,145.9 h1.2 r180
  text "G" at 138.42,145.3 h2 r180
  text "SC" at 140.96,145.3 h2 r180
  text "SD" at 143.5,145.3 h2 r180
  text "+" at 143.8,143.6 h4
  text "OUT-G" at 97.7,141.8 h2 r270
  text "+" at 97.3,141.7 h4
  text "UPGRADE" at 146,140.8 h1.2 r180
  text "RX" at 150,137.8 h1.2
  text "TX" at 152.54,137.8 h1.2
  text "TEMP" at 177,131.35 h1.2 r270
  text "OUT-B" at 97.7,125.3 h2 r270
  text "+" at 97.3,125 h4
  text "STM32_DEV" at 111.763,109.372 h3 r270
  text "5V" at 176.4,109 h2 r90
  text "OUT-R" at 97.6,105.2 h2 r270
  text "+" at 97.3,105.05 h4
  text "+" at 177.4,101.75 h4
  text "D210429SD257Q1" at 152.216,95.715 h2
  text "12V" at 183.8,63.8 h2 r90
  text "+" at 181.9,61.55 h4
  text "SW-2" at 104.3,60.2 h2
  text "SW-1" at 110.7,60.2 h2
Mechanical 1:
  lines w0.1: 148,137.3 158,137.3
  lines w0.2: 178.05,129.9 178.7,129.9
OUTLINE:
  lines w0.1: 97,61.27 97,98 97,143.73 97,144.73 cw(c98.27,144.73) 98.27,146 182.73,146 cw(c182.73,144.73) 184,144.73 184,143.73 184,105 ; 97,62 97,61 ccw(c98,61) 98,60 99.27,60 176,60 182.73,60 ccw(c182.73,61.27) 184,61.27 184,106
Mechanical 13:
  lines w0.1: 99.1,72.1 99.1,73.1 ; 99.1,77.9 99.1,78.9 ; 99.1,83.7 99.1,84.7 ; 127.9,76.5 130.3,76.5 ; 133.3,76.5 135.7,76.5 ; 145.4,116.1 152.9,116.1

## Dimensions
97,61.27 to 184,61.27 on Mechanical 1
99.27,60 to 98.27,146 on Mechanical 1

## Text inside footprints (layer, text, board x,y; h text height)
F1: Top Overlay "F" at 133.6,134.1 h1.2 r90
F3: Top Overlay "F" at 152.1,91.9 h1.2 r90
F4: Top Overlay "F" at 173.8,106.7 h1.2 r180
U5: Top Overlay "1" at 118.3,128.14 h0.6; Top Overlay "10" at 177.6,112.84 h0.6
X2: Top Overlay "Y" at 148.9,115.7 h1 r90